# Altium PCB RTM_4SFP_3QSFP.PcbDoc (part 1 of 4) (continued)
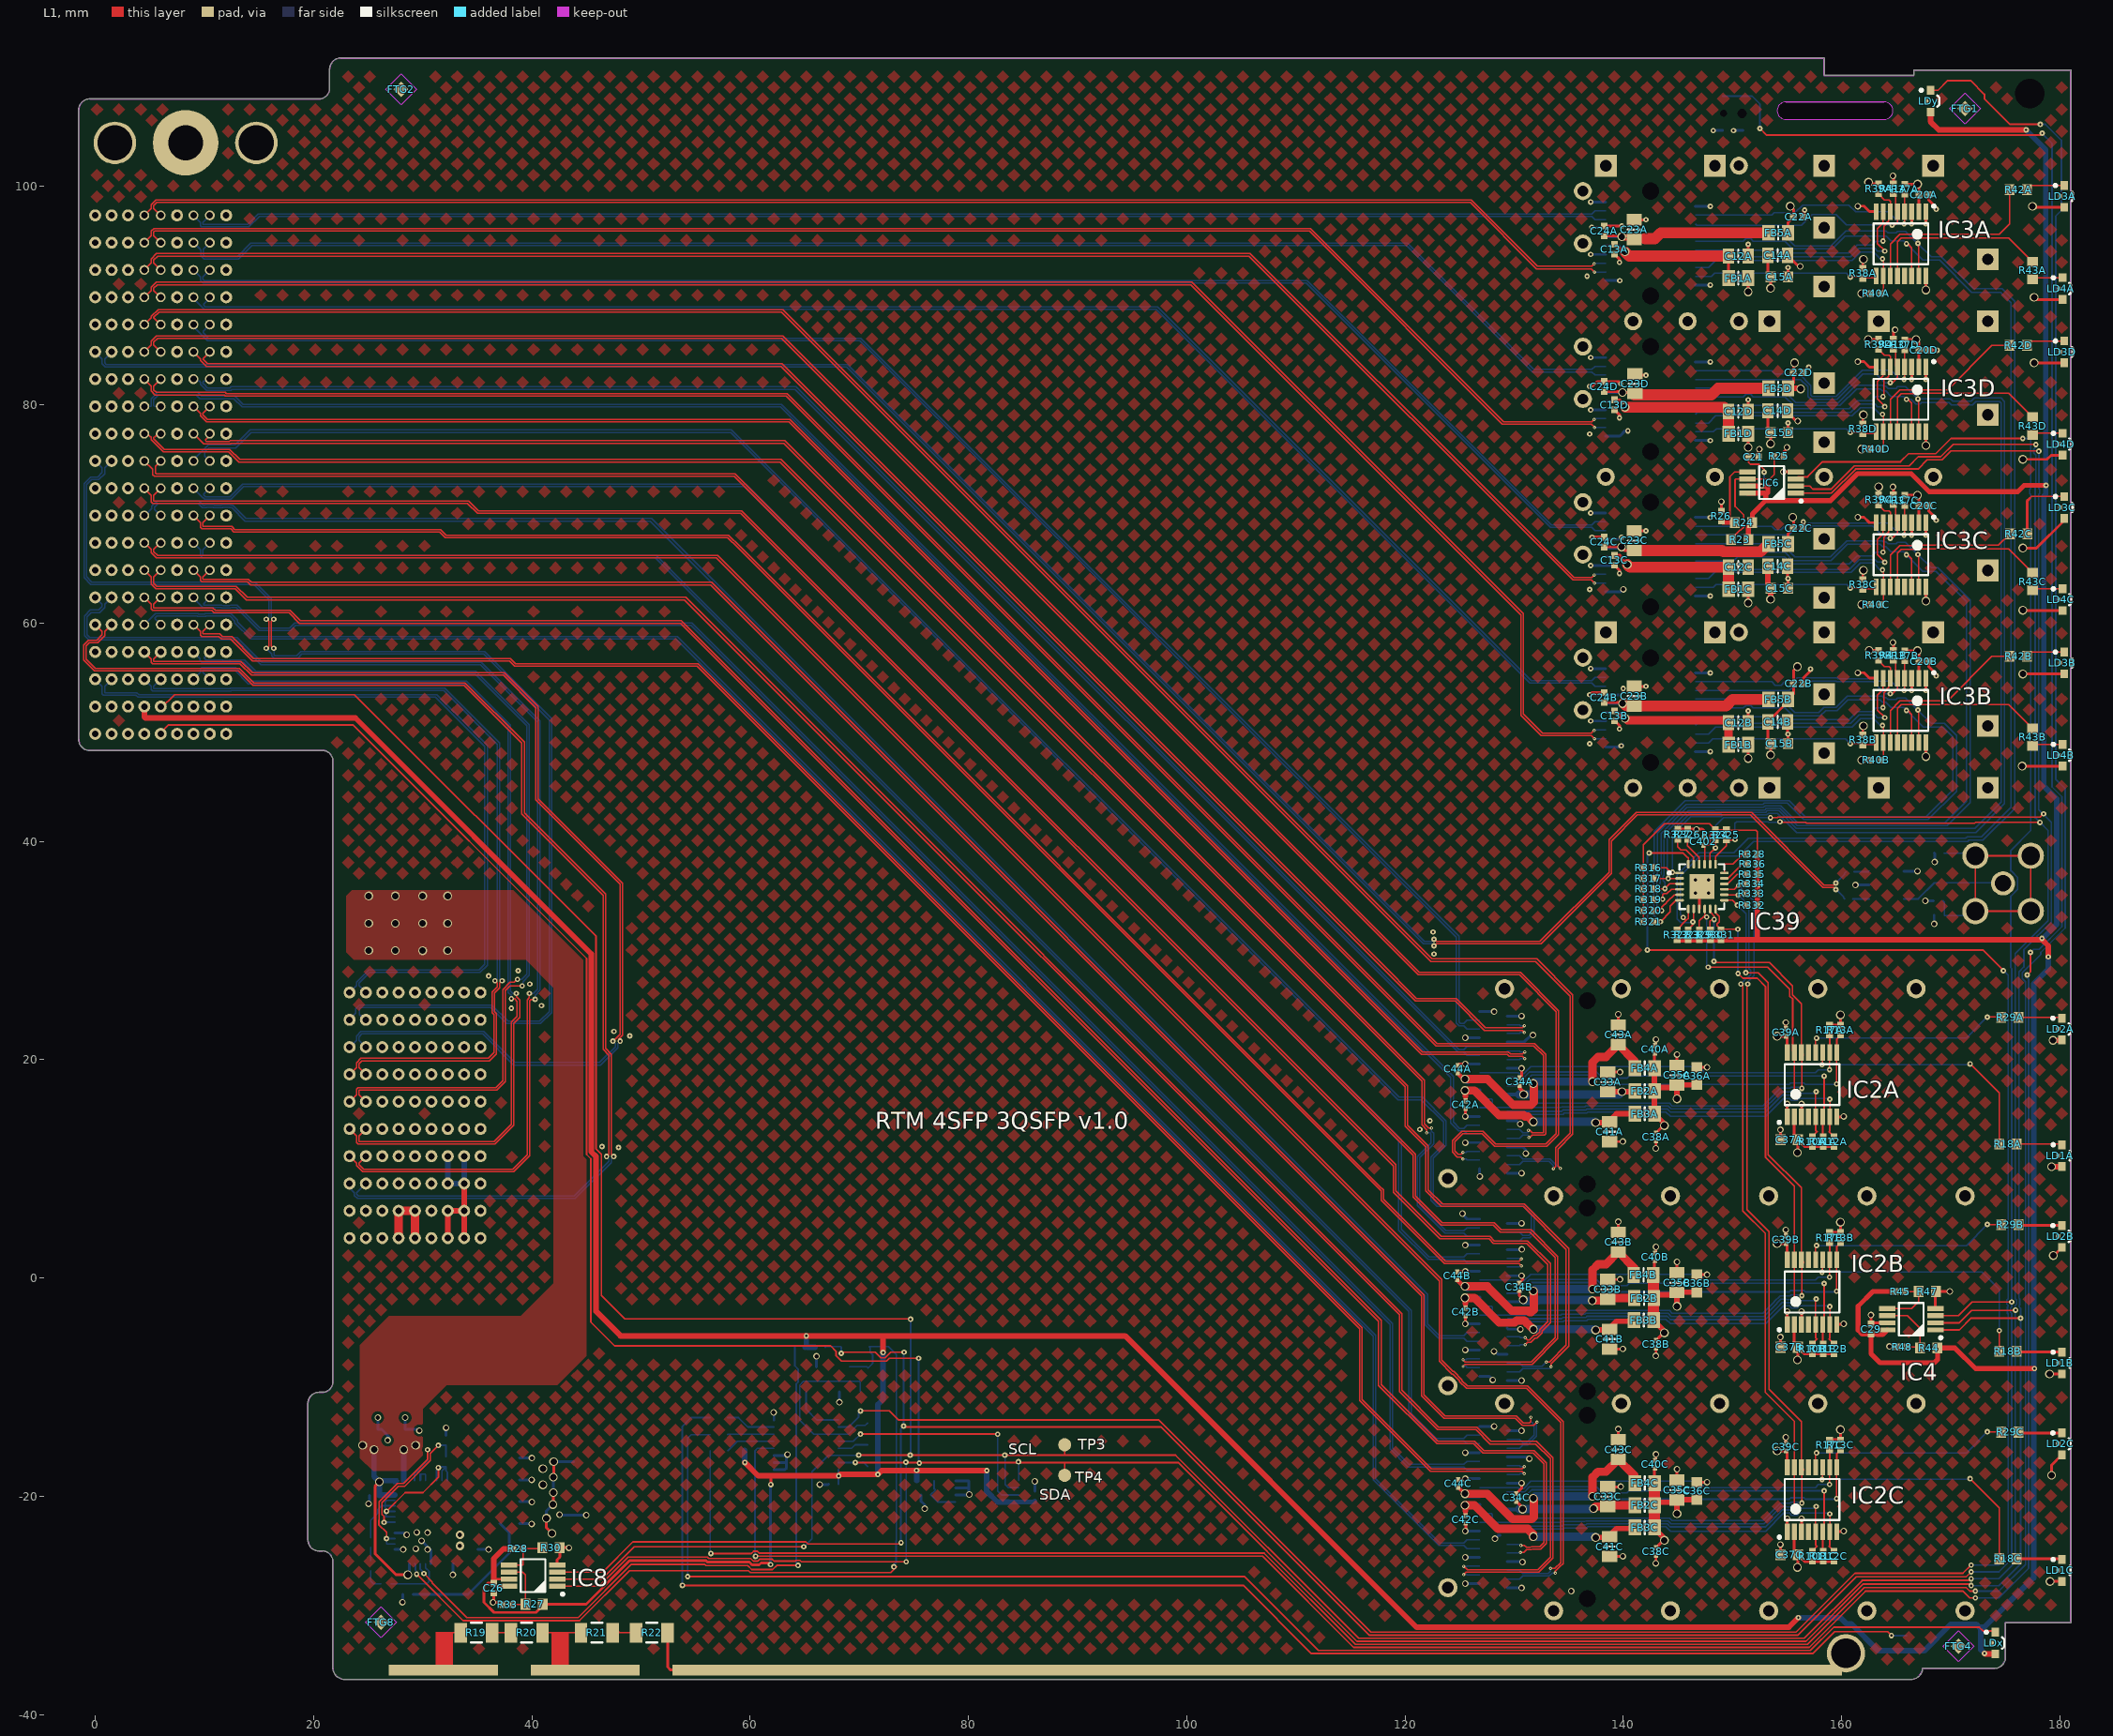
[diagram p0: L1 view]
## Components (designator, comment, footprint, x,y, rotation, side; value= is the part's Value field where it differs from the comment) (continued)
C38C "100nF" CAPC0603X33N 143.002,-25.071 r270 top (schematic designator C38)
C39A "100nF" CAPC0603X33N 154.9,22.5 r90 top (schematic designator C39)
C39B "100nF" CAPC0603X33N 154.9,3.5 r90 top (schematic designator C39)
C39C "100nF" CAPC0603X33N 154.9,-15.5 r90 top (schematic designator C39)
C40A "100nF" CAPC0603X33N 142.926,20.935 r90 top (schematic designator C40)
C40B "100nF" CAPC0603X33N 142.926,1.935 r90 top (schematic designator C40)
C40C "100nF" CAPC0603X33N 142.926,-17.065 r90 top (schematic designator C40)
C41A "10uF" CAPC2012X135N 138.76,13.386 r270 top (schematic designator C41)
C41B "10uF" CAPC2012X135N 138.76,-5.614 r270 top (schematic designator C41)
C41C "10uF" CAPC2012X135N 138.76,-24.614 r270 top (schematic designator C41)
C42A "100nF" CAPC0603X33N 125.552,15.875 r270 top (schematic designator C42)
C42B "100nF" CAPC0603X33N 125.552,-3.124 r270 top (schematic designator C42)
C42C "100nF" CAPC0603X33N 125.57,-22.123 r270 top (schematic designator C42)
C43A "10uF" CAPC2012X135N 139.548,22.276 r90 top (schematic designator C43)
C43B "10uF" CAPC2012X135N 139.548,3.276 r90 top (schematic designator C43)
C43C "10uF" CAPC2012X135N 139.548,-15.724 r90 top (schematic designator C43)
C44A "100nF" CAPC0603X33N 124.816,19.126 r90 top (schematic designator C44)
C44B "100nF" CAPC0603X33N 124.774,0.2 r90 top (schematic designator C44)
C44C "100nF" CAPC0603X33N 124.866,-18.847 r90 top (schematic designator C44)
C402 "100nF" CAPC0603X33N 147.35,40 r270 top
Cage1 "zQSFP+" TYCO_2170737-1 148.48,-2 r270 bottom locked
Cage2 "SFP+" TYCO_2007132-1 142.5,73.4 r180 bottom locked
CON1A "1888247-1" TYCO_1888247-1 142.5,94.78 r180 bottom locked (schematic designator CON1)
CON1B "1888247-1" TYCO_1888247-1 142.5,52.03 r180 bottom locked (schematic designator CON1)
CON1C "1888247-1" TYCO_1888247-1 142.5,66.28 r180 bottom locked (schematic designator CON1)
CON1D "1888247-1" TYCO_1888247-1 142.5,80.53 r180 bottom locked (schematic designator CON1)
D1 "BAT165" SOD2512X110N 69.611,-6.289 r0 bottom
FB1A "220R@100MHz" INDC2012X105N 150.55,91.6 r180 top (schematic designator FB1)
FB1B "220R@100MHz" INDC2012X105N 150.55,48.85 r180 top (schematic designator FB1)
FB1C "220R@100MHz" INDC2012X105N 150.55,63.1 r180 top (schematic designator FB1)
FB1D "220R@100MHz" INDC2012X105N 150.55,77.35 r180 top (schematic designator FB1)
FB2A "220R@100MHz" INDC2012X105N 141.961,17.131 r180 top (schematic designator FB2)
FB2B "220R@100MHz" INDC2012X105N 141.91,-1.854 r180 top (schematic designator FB2)
FB2C "220R@100MHz" INDC2012X105N 141.961,-20.828 r180 top (schematic designator FB2)
FB3A "220R@100MHz" INDC2012X105N 141.961,15.037 r180 top (schematic designator FB3)
FB3B "220R@100MHz" INDC2012X105N 141.884,-3.861 r180 top (schematic designator FB3)
FB3C "220R@100MHz" INDC2012X105N 141.961,-22.86 r180 top (schematic designator FB3)
FB4A "220R@100MHz" INDC2012X105N 141.961,19.225 r180 top (schematic designator FB4)
FB4B "220R@100MHz" INDC2012X105N 141.859,0.279 r180 top (schematic designator FB4)
FB4C "220R@100MHz" INDC2012X105N 141.961,-18.796 r180 top (schematic designator FB4)
FB5A "220R@100MHz" INDC2012X105N 154.2,95.75 r180 top (schematic designator FB5)
FB5B "220R@100MHz" INDC2012X105N 154.2,53 r180 top (schematic designator FB5)
FB5C "220R@100MHz" INDC2012X105N 154.2,67.25 r180 top (schematic designator FB5)
FB5D "220R@100MHz" INDC2012X105N 154.2,81.5 r180 top (schematic designator FB5)
FP1 "RTM_FRONTPANEL" RTM_FRONTPANEL 181.8,75 r0 bottom locked
FTG1 "Use only in PCB" FIDUCIAL_TOP_S100-200 171.323,107.137 r90 top
FTG2 "Use only in PCB" FIDUCIAL_TOP_S100-200 28.016,108.89 r90 top
FTG3 "Use only in PCB" FIDUCIAL_TOP_S100-200 171.3,107.15 r90 bottom
FTG4 "Use only in PCB" FIDUCIAL_TOP_S100-200 170.713,-33.731 r90 top
FTG5 "Use only in PCB" FIDUCIAL_TOP_S100-200 28.042,108.864 r90 bottom
FTG6 "Use only in PCB" FIDUCIAL_TOP_S100-200 170.713,-33.731 r90 bottom
FTG7 "Use only in PCB" FIDUCIAL_TOP_S100-200 26.091,-31.623 r90 bottom
FTG8 "Use only in PCB" FIDUCIAL_TOP_S100-200 26.2,-31.55 r90 top
IC1 "MIC45116-1YMP" MICROCHIP_H3QFN88-52LD-PL-3 31.266,-22.378 r270 bottom
IC2A "PCA9534PW" SOP65P640X110-16N 157.3,17.7 r90 top (schematic designator IC2)
IC2B "PCA9534PW" SOP65P640X110-16N 157.3,-1.3 r90 top (schematic designator IC2)
IC2C "PCA9534PW" SOP65P640X110-16N 157.3,-20.3 r90 top (schematic designator IC2)
IC3A "PCA9534PW" SOP65P640X110-16N 165.45,94.75 r270 top (schematic designator IC3)
IC3B "PCA9534PW" SOP65P640X110-16N 165.45,52 r270 top locked (schematic designator IC3)
IC3C "PCA9534PW" SOP65P640X110-16N 165.45,66.25 r270 top (schematic designator IC3)
IC3D "PCA9534PW" SOP65P640X110-16N 165.45,80.5 r270 top (schematic designator IC3)
IC4 "LM75AIMM/NOPB" SOP65P490X109-8N 166.393,-3.785 r180 top
IC6 "LM75AIMM/NOPB" SOP65P490X109-8N 153.594,72.873 r180 top
IC8 "LM75AIMM/NOPB" SOP65P490X109-8N 40.125,-27.274 r180 top
IC10 "AT24MAC402-XHM" SOP65P640X120-8N 81.718,-19.554 r0 bottom
IC14 "PCA9554DB" SOP65P640X120-16N 65.136,-15.289 r180 bottom
IC39 "MAX7357ETG+" HVQFN24 147.21,35.855 r0 top
J1 "#NAME?" TYCO_1469265-1 8.28,104 r180 bottom
J2 "Advanced TCA" TYCO_6469183-1#1 6,61.1 r180 bottom locked
J3 "SMA" AMPHENOL_132203 174.8,36.145 r0 bottom
J4 "Advanced TCA" TYCO_6469183-1#2 6,86.1 r180 bottom locked
J5A "zQSFP+" TYCO_1551920-2 128.1,17 r180 bottom locked (schematic designator J5)
J5B "zQSFP+" TYCO_1551920-2 128.1,-2 r180 bottom locked (schematic designator J5)
J5C "zQSFP+" TYCO_1551920-2 128.1,-21 r180 bottom locked (schematic designator J5)
J8 "Hard Metric Type ZD" ERNI_973028 29.3,14.9 r180 bottom
LD1A "LED_AVAGO_HSME-C120" LED_AVAGO_HSME-C120 180.188,11.2 r270 top (schematic designator LD1)
LD1B "LED_AVAGO_HSME-C120" LED_AVAGO_HSME-C120 180.188,-7.8 r270 top (schematic designator LD1)
LD1C "LED_AVAGO_HSME-C120" LED_AVAGO_HSME-C120 180.188,-26.8 r270 top (schematic designator LD1)
LD2A "Red" LED_AVAGO_HSME-C120rev 180.2,22.8 r90 top (schematic designator LD2)
LD2B "Red" LED_AVAGO_HSME-C120rev 180.2,3.8 r90 top (schematic designator LD2)
LD2C "Red" LED_AVAGO_HSME-C120rev 180.2,-15.2 r90 top (schematic designator LD2)
LD3A "LED_AVAGO_HSME-C120" LED_AVAGO_HSME-C120 180.399,99.091 r270 top (schematic designator LD3)
LD3B "LED_AVAGO_HSME-C120" LED_AVAGO_HSME-C120 180.399,56.341 r270 top (schematic designator LD3)
LD3C "LED_AVAGO_HSME-C120" LED_AVAGO_HSME-C120 180.399,70.591 r270 top (schematic designator LD3)
LD3D "LED_AVAGO_HSME-C120" LED_AVAGO_HSME-C120 180.399,84.841 r270 top (schematic designator LD3)
LD4A "Red" LED_AVAGO_HSME-C120rev 180.249,90.641 r90 top (schematic designator LD4)
LD4B "Red" LED_AVAGO_HSME-C120rev 180.249,47.891 r90 top (schematic designator LD4)
LD4C "Red" LED_AVAGO_HSME-C120rev 180.249,62.141 r90 top (schematic designator LD4)
LD4D "Red" LED_AVAGO_HSME-C120rev 180.249,76.391 r90 top (schematic designator LD4)
LDx "Green" LED_AVAGO_HSME-C120rev 174.1,-33.45 r90 top
LDy "Blue" LED_AVAGO_HSME-C120rev 168.148,107.823 r90 top
LED17 "LED0603-P-RW120 or LYN971-Z" led_0603R 165.989,-32.766 r270 bottom
PB1 "Push Button" SW_C&K_HDT0001 150.03,106.7 r180 bottom
R1 "7k5" RESC1005X40N#1 29.141,-28.528 r270 bottom
R2 "100k" RESC1005X40N#1 168.953,33.2 r0 bottom
R3 "2k4" RESC1005X40N#1 28.191,-28.528 r90 bottom
R4 "10k" RESC1005X40N#1 25.241,-26.378 r90 bottom
R5 "10k" RESC1005X40N#1 26.641,-28.028 r180 bottom
R6 "1k6" RESC1005X40N#1 32.146,-16.828 r270 bottom
R7 "330" RESC1608X55N 57.136,-15.817 r180 bottom
R8 "330" RESC1608X55N 57.136,-14.358 r180 bottom
R9 "330" RESC1608X55N 57.136,-12.794 r180 bottom
R10A "10k" RESC1005X40N#1 157.325,12.5 r90 top (schematic designator R10)
R10B "10k" RESC1005X40N#1 157.325,-6.5 r90 top (schematic designator R10)
R10C "10k" RESC1005X40N#1 157.325,-25.5 r90 top (schematic designator R10)
R11A "10k" RESC1005X40N#1 158.313,12.5 r90 top (schematic designator R11)
R11B "10k" RESC1005X40N#1 158.313,-6.5 r90 top (schematic designator R11)
R11C "10k" RESC1005X40N#1 158.313,-25.5 r90 top (schematic designator R11)
R12A "10k" RESC1005X40N#1 159.3,12.5 r90 top (schematic designator R12)
R12B "10k" RESC1005X40N#1 159.3,-6.5 r90 top (schematic designator R12)
R12C "10k" RESC1005X40N#1 159.3,-25.5 r90 top (schematic designator R12)
R13A "10k" RESC1005X40N#1 159.9,22.7 r270 top (schematic designator R13)
R13B "10k" RESC1005X40N#1 159.9,3.7 r270 top (schematic designator R13)
R13C "10k" RESC1005X40N#1 159.9,-15.3 r270 top (schematic designator R13)
R14 "10k" RESC1005X40N#1 71.238,-13.289 r180 bottom
R15 "10k" RESC1005X40N#2 71.238,-15.289 r180 bottom
R16 "10k" RESC1005X40N#1 59.988,-15.817 r0 bottom
R17A "10k" RESC1005X40N#1 158.9,22.7 r270 top (schematic designator R17)
R17B "10k" RESC1005X40N#1 158.9,3.7 r270 top (schematic designator R17)
R17C "10k" RESC1005X40N#1 158.9,-15.3 r270 top (schematic designator R17)
R18A "330" RESC1608X55N 175.241,12.275 r0 top (schematic designator R18)
R18B "330" RESC1608X55N 175.241,-6.725 r0 top (schematic designator R18)
R18C "330" RESC1608X55N 175.241,-25.725 r0 top (schematic designator R18)
R19 "1M" RESC3216X65N 34.923,-32.5 r0 top
R20 "1M" RESC3216X65N 39.537,-32.5 r0 top
R21 "1M" RESC3216X65N 45.956,-32.5 r0 top
R22 "1M" RESC3216X65N 51,-32.5 r0 top
R23 "0" RESC1608X55N 150.673,67.666 r0 top
R24 "0" RESC1608X55N 151.028,69.214 r0 top
R25 "10k" RESC1005X40N#2 154.28,75.286 r180 top
R26 "10k" RESC1005X40N#2 148.996,69.799 r270 top
R27 "0" RESC1608X55N 40.216,-29.895 r0 top
R28 "10k" RESC1005X40N#2 38.742,-24.815 r180 top
R29A "330" RESC1608X55N 175.424,23.875 r0 top (schematic designator R29)
R29B "330" RESC1608X55N 175.424,4.875 r0 top (schematic designator R29)
R29C "330" RESC1608X55N 175.424,-14.125 r0 top (schematic designator R29)
R30 "0" RESC1608X55N 41.765,-24.706 r180 top
R31 "10k" RESC1005X40N#2 71.238,-16.258 r180 bottom
R32 "10k" RESC1005X40N#2 71.238,-17.289 r180 bottom
R33 "10k" RESC1005X40N#2 37.777,-29.92 r0 top
R34 "10k" RESC1005X40N#1 66.411,-6.363 r0 bottom
R35 "10k" RESC1005X40N#1 71.708,-7.814 r180 bottom
R36 "10k" RESC1005X40N#1 71.238,-12.183 r180 bottom
R37A "10k" RESC1005X40N#1 165.799,99.741 r90 top (schematic designator R37)
R37B "10k" RESC1005X40N#1 165.799,56.991 r90 top (schematic designator R37)
R37C "10k" RESC1005X40N#1 165.799,71.241 r90 top (schematic designator R37)
R37D "10k" RESC1005X40N#1 165.799,85.491 r90 top (schematic designator R37)
R38A "10k" RESC1005X40N#1 161.949,92.041 r90 top (schematic designator R38)
R38B "10k" RESC1005X40N#1 161.949,49.291 r90 top (schematic designator R38)
R38C "10k" RESC1005X40N#1 161.949,63.541 r90 top (schematic designator R38)
R38D "10k" RESC1005X40N#1 161.949,77.791 r90 top (schematic designator R38)
R39A "10k" RESC1005X40N#1 163.399,99.791 r90 top (schematic designator R39)
R39B "10k" RESC1005X40N#1 163.399,57.041 r90 top (schematic designator R39)
R39C "10k" RESC1005X40N#1 163.399,71.291 r90 top (schematic designator R39)
R39D "10k" RESC1005X40N#1 163.399,85.541 r90 top (schematic designator R39)
R40A "10k" RESC1005X40N#1 163.149,90.191 r180 top (schematic designator R40)
R40B "10k" RESC1005X40N#1 163.149,47.441 r180 top (schematic designator R40)
R40C "10k" RESC1005X40N#1 163.149,61.691 r180 top (schematic designator R40)
R40D "10k" RESC1005X40N#1 163.149,75.941 r180 top (schematic designator R40)
R41A "10k" RESC1005X40N#1 164.749,99.797 r270 top (schematic designator R41)
R41B "10k" RESC1005X40N#1 164.749,57.047 r270 top (schematic designator R41)
R41C "10k" RESC1005X40N#1 164.749,71.297 r270 top (schematic designator R41)
R41D "10k" RESC1005X40N#1 164.749,85.547 r270 top (schematic designator R41)
R42A "330" RESC1608X55N 176.199,99.691 r0 top (schematic designator R42)
R42B "330" RESC1608X55N 176.199,56.941 r0 top (schematic designator R42)
R42C "330" RESC1608X55N 176.225,68.174 r0 top (schematic designator R42)
R42D "330" RESC1608X55N 176.199,85.441 r0 top (schematic designator R42)
R43A "330" RESC1608X55N 177.5,92.3 r270 top (schematic designator R43)
R43B "330" RESC1608X55N 177.5,49.55 r270 top (schematic designator R43)
R43C "330" RESC1608X55N 177.5,63.8 r270 top (schematic designator R43)
R43D "330" RESC1608X55N 177.5,78.05 r270 top (schematic designator R43)
R44 "0" RESC1608X55N 167.996,-6.426 r0 top
R45 "10k" RESC1005X40N#2 165.379,-1.245 r180 top
R46 "10k" RESC1005X40N#1 64.561,-6.363 r180 bottom
R47 "0" RESC1608X55N 167.869,-1.245 r180 top
R48 "10k" RESC1005X40N#2 165.557,-6.325 r0 top
R73 "0" RESC1608X55N 76.068,-18.579 r180 bottom
R74 "10k" RESC1005X40N#2 71.238,-14.312 r0 bottom
R75 "10k" RESC1005X40N#2 76.096,-19.879 r0 bottom
R316 "10k" RESC1005X40N#1 142.321,37.6 r180 top
R317 "10k" RESC1005X40N#1 142.321,36.605 r180 top
R318 "10k" RESC1005X40N#1 142.321,35.645 r180 top
R319 "10k" RESC1005X40N#1 142.321,34.655 r180 top
R320 "10k" RESC1005X40N#1 142.321,33.655 r180 top
R321 "10k" RESC1005X40N#1 142.321,32.65 r180 top
R322 "10k" RESC1005X40N#1 144.928,31.445 r270 top
R323 "10k" RESC1005X40N#1 145.935,31.445 r270 top
R324 "10k" RESC1005X40N#1 148.45,40.6 r90 top
R325 "10k" RESC1005X40N#1 149.455,40.6 r90 top
R326 "10k" RESC1005X40N#1 145.9,40.647 r270 top
R327 "10k" RESC1005X40N#1 145,40.647 r270 top
R328 "10k" RESC1005X40N#1 151.815,38.83 r180 top
R329 "10k" RESC1005X40N#1 146.975,31.445 r270 top
R330 "10k" RESC1005X40N#1 147.995,31.445 r270 top
R331 "10k" RESC1005X40N#1 148.955,31.445 r270 top
R332 "10k" RESC1005X40N#1 151.815,34.155 r0 top
R333 "10k" RESC1005X40N#1 151.785,35.225 r0 top
R334 "10k" RESC1005X40N#1 151.785,36.105 r0 top
R335 "10k" RESC1005X40N#1 151.83,36.978 r0 top
R336 "10k" RESC1005X40N#1 151.84,37.92 r0 top
T1 "BSS138LT1G" SOT95P240X110-3N 69.136,-9.289 r90 bottom
T2 "BSS138LT1G" SOT95P240X110-3N 65.136,-9.289 r270 bottom
TP1 "TP" TP 30.303,-16.878 r180 bottom
TP2 "TP" TP -98.415,115.123 r90 bottom
TP3 "TP" TP 88.824,-15.289 r270 top
TP4 "TP" TP 88.824,-18.085 r270 top
TR1 "#NAME?" XFMR_MINI-CIRCUITS_AT1521 164.11,36 r270 bottom

## Footprints (in the part's own frame and the unit in brackets; to place one, negate y for a bottom-side part, rotate by r counter-clockwise, add the part's x,y. Pads: shape width x height; smd on the part's side, far side on the other; paste and mask are expansions set on the pad)
AMPHENOL_132203 [mm] "50 Ohm Through Hole SMA Right Angle PCB Jack"
  round 2.2 hole 1.5: 1(0,0)
  round 2.4 hole 1.7: 2(-2.54,-2.54) 2(-2.54,2.54) 2(2.54,-2.54) 2(2.54,2.54)
  silkscreen extent -4,-5.1 16.5,5.1, body extent -4,-5.1 16.5,5.1, height 11.45
CAPAE660X540N [mm] "Capacitor, Aluminium Electrolytric, 6.6mm L X 6.6mm W X 5.4mm H, IPC Medium Density"
  rect 3.15x1.6 smd: 1(-2.45,0) 2(2.45,0)
  silkscreen extent -3.95,-3.3 3.3,3.3, body extent -3.9,-3.4 3.9,3.4, height 5.7
CAPC0603X33N [mm] "Chip Capacitor, Body 0.6x0.30mm, IPC Medium Density"
  rect 0.45x0.4 smd: 1(-0.35,0) 2(0.35,0)
  body extent -0.31,-0.16 0.32,0.17, height 0.33
CAPC1005X55N [mm] "Chip Capacitor, Body 1.0x0.55mm, IPC Medium Density"
  rect 0.62x0.62 smd: 1(-0.45,0) 2(0.45,0)
  body extent -0.52,-0.27 0.53,0.28, height 0.55
CAPC1608X87N [mm] "Chip Capacitor, Body 1.6x0.8mm IPC Medium Density"
  rect 0.95x1 smd: 1(-0.8,0) 2(0.8,0)
  body extent -0.87,-0.47 0.88,0.48, height 0.87
CAPC2012X135N [mm] "Chip Capacitor, Body 2.0x1.25mm, IPC Medium Density"
  rect 1.05x1.4 smd: 1(-0.9,0) 2(0.9,0)
  silkscreen extent 0,-0.58 0,0.58, body extent -1.05,-0.67 1.05,0.68, height 1.25
CAPC3216X140N [mm] "Chip Capacitor, Body 3.2x1.6mm, IPC Medium Density"
  rect 1.15x1.8 smd: 1(-1.5,0) 2(1.5,0)
  silkscreen extent -0.5,-0.9 0.5,0.9, body extent -1.7,-0.9 1.7,0.9, height 1.4
ERNI_973028 [mm] "90 Contacts (10x3 Pairs Signal Contacts + 3x10 Ground Contacts), Pitch 2.5mm, Press-Fit, Right Angle Ermet ZD High Speed Differential Hard Metric Female Connector"
  round 1.1 hole 0.6: A1(6,11.25) A2(6,8.75) A3(6,6.25) A4(6,3.75) A5(6,1.25) A6(6,-1.25) A7(6,-3.75) A8(6,-6.25) A9(6,-8.75) A10(6,-11.25) AB1(3,11.25) AB2(3,8.75) AB3(3,6.25) AB4(3,3.75) AB5(3,1.25) AB6(3,-1.25) AB7(3,-3.75) AB8(3,-6.25) AB9(3,-8.75) AB10(3,-11.25) B1(4.5,11.25) B2(4.5,8.75) B3(4.5,6.25) B4(4.5,3.75) B5(4.5,1.25) B6(4.5,-1.25) B7(4.5,-3.75) B8(4.5,-6.25) B9(4.5,-8.75) B10(4.5,-11.25) C1(1.5,11.25) C2(1.5,8.75) C3(1.5,6.25) C4(1.5,3.75) C5(1.5,1.25) C6(1.5,-1.25) C7(1.5,-3.75) C8(1.5,-6.25) C9(1.5,-8.75) C10(1.5,-11.25) CD1(-1.5,11.25) CD2(-1.5,8.75) CD3(-1.5,6.25) CD4(-1.5,3.75) CD5(-1.5,1.25) CD6(-1.5,-1.25) CD7(-1.5,-3.75) CD8(-1.5,-6.25) CD9(-1.5,-8.75) CD10(-1.5,-11.25) D1(0,11.25) D2(0,8.75) D3(0,6.25) D4(0,3.75) D5(0,1.25) D6(0,-1.25) D7(0,-3.75) D8(0,-6.25) D9(0,-8.75) D10(0,-11.25) E1(-3,11.25) E2(-3,8.75) E3(-3,6.25) E4(-3,3.75) E5(-3,1.25) E6(-3,-1.25) E7(-3,-3.75) E8(-3,-6.25) E9(-3,-8.75) E10(-3,-11.25) EF1(-6,11.25) EF2(-6,8.75) EF3(-6,6.25) EF4(-6,3.75) EF5(-6,1.25) EF6(-6,-1.25) EF7(-6,-3.75) EF8(-6,-6.25) EF9(-6,-8.75) EF10(-6,-11.25) F1(-4.5,11.25) F2(-4.5,8.75) F3(-4.5,6.25) F4(-4.5,3.75) F5(-4.5,1.25) F6(-4.5,-1.25) F7(-4.5,-3.75) F8(-4.5,-6.25) F9(-4.5,-8.75) F10(-4.5,-11.25)
  silkscreen extent -6.55,-12.95 17.75,12, body extent -6.55,-12.95 17.75,12, height 12.2
FIDUCIAL_TOP_S100-200 [mm] "Scare Fiducial Target, Top Layer, 1.0mm, Top Sloder 2.0mm, Keepout =2.0mm"
  rect 1x1 smd rot 45 paste-0.51 mask+0.5: 1(0,0)
  L1 keep-out region: 1.414,0 0,-1.414 -1.414,0 0,1.414
HVQFN24 [mm]
  oval 0.8x0.25 smd: 1(-2.05,1.25) 2(-2.05,0.75) 3(-2.05,0.25) 4(-2.05,-0.25) 5(-2.05,-0.75) 6(-2.05,-1.25) 13(2.05,-1.25) 14(2.05,-0.75) 15(2.05,-0.25) 16(2.05,0.25) 17(2.05,0.75) 18(2.05,1.25)
  oval 0.25x0.8 smd: 7(-1.25,-2.05) 8(-0.75,-2.05) 9(-0.25,-2.05) 10(0.25,-2.05) 11(0.75,-2.05) 12(1.25,-2.05) 19(1.25,2.05) 20(0.75,2.05) 21(0.25,2.05) 22(-0.25,2.05) 23(-0.75,2.05) 24(-1.25,2.05)
  rect 2.3x2.3 smd: 25(0,0)
  silkscreen extent -3.12,-2.05 2.05,2.05, body extent -2.11,-2.11 2.11,2.11, height 0.4
INDC2012X105N [mm] "Chip Inductor, EIA 0805, Metric 2012, Body 2.0x1.25mm, IPC Medium Density"
  rect 1.15x1.45 smd: 1(-0.9,0) 2(0.9,0)
  silkscreen extent 0,-0.6 0,0.6, body extent -1.1,-0.7 1.1,0.7, height 1.1
led_0603R [mil]
  rect 30x30 smd: A(55,0) K(0,0)
  silkscreen extent -31,-22 73,26, body extent -10,-15 65,15, height 28
LED_AVAGO_HSME-C120 [mm] "Green Chip LED, 2-Leads, Body 1.7x1.1mm, Side Emitting Package"
  rect 0.8x0.7 smd: 1(-1,0) 2(1,0)
  rect 0.4x0.4 smd: 3(0,-0.35)
  silkscreen extent -1.12,-0.92 0.42,0.8, body extent -0.85,-0.3 0.85,0.8, height 0.7
LED_AVAGO_HSME-C120rev [mm] "Green Chip LED, 2-Leads, Body 1.7x1.1mm, Side Emitting Package"
  rect 0.8x0.7 smd: 1(-1,0) 2(1,0)
  rect 0.4x0.4 smd: 3(0,0.35)
  silkscreen extent -0.51,-0.8 1.12,0.96, body extent -0.85,-0.8 0.85,0.3, height 0.7
MICROCHIP_H3QFN88-52LD-PL-3 [mm] "MICROCHIP_H3QFN88-52LD-PL-3, 0.50mm Pitch, Square, 52 Pin, 8mm L X 8mm W X 3mm H Body"
  rect 0.8x0.25 smd: 1(-3.8,3.5) 2(-3.8,3) 4(-3.8,2) 5(-3.8,1.5) 6(-3.8,1) 8(-3.8,0) 9(-3.8,-0.5) 10(-3.8,-1) 12(-3.8,-2) 13(-3.8,-2.5) 14(-3.8,-3) 15(-3.8,-3.5) 27(3.8,-3.5) 28(3.8,-3) 29(3.8,-2.5) 30(3.8,-2) 31(3.8,-1.5) 32(3.8,-1) 33(3.8,-0.5) 34(3.8,0) 35(3.8,0.5) 36(3.8,1) 37(3.8,1.5) 38(3.8,2) 39(3.8,2.5) 40(3.8,3) 41(3.8,3.5)
  rect 0.25x0.8 smd: 16(-2.5,-3.8) 17(-2,-3.8) 18(-1.5,-3.8) 19(-1,-3.8) 20(-0.5,-3.8) 21(0,-3.8) 23(1,-3.8) 24(1.5,-3.8) 25(2,-3.8) 26(2.5,-3.8) 42(2.5,3.8) 43(2,3.8) 44(1.5,3.8) 45(1,3.8) 47(0,3.8) 48(-0.5,3.8) 49(-1,3.8) 50(-1.5,3.8) 51(-2,3.8) 52(-2.5,3.8)
  rect 2.1x1.675 smd: 53(1.7,1.363)
  rect 2.1x1.15 smd: 54(1.7,-2.15)
  L1 lines w0.05: 1.7,0.525 1.7,0.525
  L1 keep-out region: -4.2,-1.625 -4.2,-1.375 -3.15,-1.375 -3.15,0.375 -4.2,0.375 -4.2,0.625 -3.15,0.625 -3.15,2.375 -4.2,2.375 -4.2,2.625 -3.15,2.625 -3.15,3.12 0.15,3.12 0.15,0.025 3.15,0.025 3.15,-1.075 0.15,-1.075 0.15,-3.12 -3.15,-3.12 -3.15,-1.625
  L1 keep-out region: 0.375,-4.2 0.625,-4.2 0.625,-3.12 0.375,-3.12
  L1 keep-out region: 0.375,3.12 0.625,3.12 0.625,4.2 0.375,4.2
  silkscreen extent -4.55,-4 4,4.52, body extent -4,-4 4,4, height 3
RESC1005X40N#1 [mm] "Chip Resistor, EIA 0402, Metric 1005, Body 1.0x0.5mm, IPC Medium Density"
  rect 0.58x0.62 smd: 1(-0.47,0) 2(0.47,0)
  body extent -0.52,-0.27 0.53,0.28, height 0.4
RESC1005X40N#2 [mm] "Chip Resistor, Body 1.0x0.5mm, IPC Medium Density"
  rect 0.6x0.6 smd: 1(-0.45,0) 2(0.45,0)
  body extent -0.53,-0.28 0.53,0.28, height 0.4
RESC1608X55N [mm] "Chip Resistor, EIA 0603, Metric 1608, Body 1.6x0.8mm, IPC Medium Density"
  rect 0.9x1 smd: 1(-0.8,0) 2(0.8,0)
  body extent -0.87,-0.47 0.88,0.48, height 0.55
RESC3216X65N [mm] "Chip Resistor, EIA 1206, Metric 3216, Body 3.2x1.6mm, IPC Medium Density"
  rect 1.15x1.8 smd: 1(-1.45,0) 2(1.45,0)
  silkscreen extent -0.5,-0.9 0.5,0.9, body extent -1.67,-0.87 1.68,0.88, height 0.65
RTM_FRONTPANEL [mm] "RTM Frontpanel Step model"
  body extent -34.1,-47.5 20.1,122.5, height 15.91
SOD2512X110N [mm] "Small Outline Diode (SOD-323), 1.70mm W X 1.25mm L X 1.10mm H body,  IPC Medium Density"
  rect 0.9x0.5 smd: 1(-1.3,0) 2(1.3,0)
  silkscreen extent -1.62,-0.65 0.85,0.87, body extent -1.35,-0.67 1.35,0.68, height 1.1
SOP65P490X109-8N [mm] "SOP, 0.65mm pitch; 8 pin,3.00mm W X 3.00mm L X 1.09mm H bodyI, PC Medium Density"
  rect 1.5x0.45 smd: 1(-2.2,0.975) 2(-2.2,0.325) 3(-2.2,-0.325) 4(-2.2,-0.975) 5(2.2,-0.975) 6(2.2,-0.325) 7(2.2,0.325) 8(2.2,0.975)
  silkscreen extent -2.83,-1.5 1.12,1.82, body extent -2.45,-1.55 2.45,1.55, height 1.09
SOP65P640X110-16N [mm] "SOP, 0.65mm pitch; 16 pin, 4.40mm W X 5.00mm L X 1.10mm H body IPC Medium Density"
  rect 1.5x0.45 smd: 1(-2.95,2.275) 2(-2.95,1.625) 3(-2.95,0.975) 4(-2.95,0.325) 5(-2.95,-0.325) 6(-2.95,-0.975) 7(-2.95,-1.625) 8(-2.95,-2.275) 9(2.95,-2.275) 10(2.95,-1.625) 11(2.95,-0.975) 12(2.95,-0.325) 13(2.95,0.325) 14(2.95,0.975) 15(2.95,1.625) 16(2.95,2.275)
  silkscreen extent -3.57,-2.5 1.88,3.12, body extent -3.12,-2.55 3.12,2.55, height 1.1
SOP65P640X120-8N [mm] "SOP, 0.65mm pitch; 8 pin, 4.40mm W X 3.00mm L X 1.20mm H body, IPC Medium Density"
  rect 1.5x0.45 smd: 1(-2.9,0.975) 2(-2.9,0.325) 3(-2.9,-0.325) 4(-2.9,-0.975) 5(2.9,-0.975) 6(2.9,-0.325) 7(2.9,0.325) 8(2.9,0.975)
  silkscreen extent -3.52,-1.5 1.83,1.82, body extent -3.2,-1.55 3.2,1.55, height 1.2
SOP65P640X120-16N [mm]
  rect 1.45x0.45 smd: 1(2.95,-2.275) 2(2.95,-1.625) 3(2.95,-0.975) 4(2.95,-0.325) 5(2.95,0.325) 6(2.95,0.975) 7(2.95,1.625) 8(2.95,2.275) 9(-2.95,2.275) 10(-2.95,1.625) 11(-2.95,0.975) 12(-2.95,0.325) 13(-2.95,-0.325) 14(-2.95,-0.975) 15(-2.95,-1.625) 16(-2.95,-2.275)
  silkscreen extent -1.85,-3.17 3.52,2.55, body extent -3.1,-2.49 3.15,2.49, height 1.75
SOT95P240X110-3N [mm] "SOT23 3-Leads, Pitch 0.95mm, Body 1.3x2.9mm, IPC Medium Density"
  rect 1.05x0.65 smd: 1(-1.15,0.95) 2(-1.15,-0.95) 3(1.15,0)
  silkscreen extent -1.52,-1.45 0.3,1.92, body extent -1.25,-1.5 1.25,1.5, height 1.1
SW_C&K_HDT0001 [mm] "Micro Mini Surface Mount Detect Switches, HDT Serie"
  rect 0.95x0.55 smd: 1(-0.925,1.575) 2(0.925,1.575) 3(-0.925,-1.575) 4(0.925,-1.575)
  round 0.5 hole 0.85 unplated mask+0.175: 5(-0.85,0)
  round 0.5 hole 0.65 unplated mask+0.075: 10(0.85,0)
  silkscreen extent -1.75,-1.4 1.75,1.4, body extent -1.75,-1.65 1.75,1.65, height 3.35
TP [mm]
  round 1.2 smd: 1(0,0)
TYCO_1469265-1 [mm] "Universal Right Angle Male Power Module Guide (keyed)"
  round 3.9 hole 3.2: 1(-6.48,0) 1(6.48,0)
  rect 18.3x7 smd paste-4.15 mask-4.15: 1(0,0)
  round 6 hole 3.2: 1(0,0)
  silkscreen extent 9.58,-3.96 32.55,3.94, body extent -8.92,-3.95 32.53,3.95, height 9.7
TYCO_1551920-2 [mm] "38 Positions, Pitch 0.8mm zSFP+ Receptacle (Small Form-factor Pluggable)"
  rrect100% 1.8x0.35 smd: 1(-1.255,7) 2(-1.255,6.2) 3(-1.255,5.4) 4(-1.255,4.6) 5(-1.255,3.8) 6(-1.255,3) 7(-1.255,2.2) 8(-1.255,1.4) 9(-1.255,0.6) 10(-1.255,-0.2) 11(-1.255,-1) 12(-1.255,-1.8) 13(-1.255,-2.6) 14(-1.255,-3.4) 15(-1.255,-4.2) 16(-1.255,-5) 17(-1.255,-5.8) 18(-1.255,-6.6) 19(-1.255,-7.4) 20(1.255,-7) 21(1.255,-6.2) 22(1.255,-5.4) 23(1.255,-4.6) 24(1.255,-3.8) 25(1.255,-3) 26(1.255,-2.2) 27(1.255,-1.4) 28(1.255,-0.6) 29(1.255,0.2) 30(1.255,1) 31(1.255,1.8) 32(1.255,2.6) 33(1.255,3.4) 34(1.255,4.2) 35(1.255,5) 36(1.255,5.8) 37(1.255,6.6) 38(1.255,7.4)
  round 0.5 hole 1.55 unplated mask+0.525: MTG1(-8.625,8.4) MTG2(-8.625,-8.4)
  silkscreen extent -11.52,-9.1 0.98,9.1, body extent -11.52,-9.1 1.79,9.1, height 6.15
TYCO_1888247-1 [mm] "20 Position, Pitch 0.8mm SFP Receptacle (Small Form-factor Pluggable)"
  rect 2x0.5 smd: 1(-4.1,3.395) 2(-4.1,2.595) 3(-4.1,1.795) 4(-4.1,0.995) 5(-4.1,0.195) 6(-4.1,-0.605) 7(-4.1,-1.405) 8(-4.1,-2.205) 9(-4.1,-3.005) 10(-4.1,-3.805) 11(4.1,-3.405) 14(4.1,-1.005) 15(4.1,-0.205) 16(4.1,0.595) 17(4.1,1.395) 20(4.1,3.795)
  rect 1.5x0.4 smd: 12(4.1,-2.605) 13(4.1,-1.805) 18(4.1,2.195) 19(4.1,2.995)
  round 0.5 hole 1.55 unplated mask+0.525: MTG1(0,4.795) MTG2(0,-4.805)
  L1 keep-out lines w0.1: 3.94,-5.755 -4.34,-5.755 -4.34,-4.395 -2.78,-4.395 -2.78,-3.855 2.78,-3.855 2.78,-3.995 3.94,-3.995 3.94,-4.805 3.94,-5.755 ; 3.94,4.385 3.94,5.745 -4.34,5.745 -4.34,3.985 -2.78,3.985 -2.78,3.845 2.78,3.845 2.78,4.385 3.94,4.385
  silkscreen extent -42.4,-7.77 6.3,7.77, body extent -4.5,-5.5 4.5,5.5, height 5.22
TYCO_2007132-1 [mm] "SFP+ 1x4 Press Fit Cage"
  rect 2x2 hole 1.05: 1(-25.9,28.5) 2(-15.9,28.5) 3(-5.9,28.5) 4(4.1,28.5) 5(-15.9,22.825) 6(-30.9,19.925) 7(-15.9,17.425) 8(-30.9,14.25) 9(-20.9,14.25) 10(-10.9,14.25) 11(-15.9,8.575) 12(-30.9,5.675) 13(-15.9,3.175) 14(-15.9,-5.675) 15(-30.9,-8.575) 16(-15.9,-11.075) 17(-25.9,-14.25) 18(-15.9,-14.25) 19(-5.9,-14.25) 20(4.1,-14.25) 21(-15.9,-19.925) 22(-30.9,-22.825) 23(-15.9,-25.325) 24(-30.9,-28.5) 25(-20.9,-28.5) 26(-10.9,-28.5)
  round 1.65 hole 0.95: 27(-8.1,28.5) 28(6.2,26.175) 29(6.2,21.375) 30(-8.1,14.25) 31(-3.4,14.25) 32(1.6,14.25) 33(6.2,11.925) 34(6.2,7.125) 35(-25.9,0) 36(-15.9,0) 37(-5.9,0) 38(4.1,0) 39(6.2,-2.325) 40(6.2,-7.125) 41(-8.1,-14.25) 42(6.2,-16.575) 43(6.2,-21.375) 44(-8.1,-28.5) 45(-3.4,-28.5) 46(1.6,-28.5)
  silkscreen extent -42.4,-29.52 6.57,29.52, body extent -42.4,-29.52 6.57,29.53, height 10.6
TYCO_2170737-1 [mm] "1x3 Press Fit zQSFP+/QSFP28 Cage (Quad Small Form-factor Pluggable), Internal/External EMI Springs"
  rect 1.6x3 / inner round 1.75 / far side round 1.75 hole 1.05: 1(-28.5,-18.345) 2(-28.5,-9.345) 3(-28.5,-0.345) 4(-28.5,8.655) 5(-28.5,19.355) 6(-9.5,-22.845) 7(-9.5,-13.845) 8(-9.5,-4.845) 9(-9.5,4.155) 10(-9.5,14.855) 13(9.5,-18.345) 14(9.5,-9.345) 15(9.5,-0.345) 16(9.5,8.655) 17(9.5,19.355) 19(28.5,-22.845) 20(28.5,-13.845) 21(28.5,-4.845) 22(28.5,4.155) 23(28.5,14.855)
  rect 3x1.6 / inner round 1.75 / far side round 1.75 hole 1.05: 11(-11.12,24.545) 12(7.88,24.545) 18(26.38,24.545)
  silkscreen extent -29.72,-36.42 29.72,25.12, body extent -29.72,-36.42 29.72,25.12, height 10.8
TYCO_6469183-1#1 [mm] "60 Positions, Pitch 2.5mm,  Advanced TCA, Z-PACK HM-Zd BackPlane Press Fit Header"
  round 1.1 hole 0.6: A1(6,-11.25) A2(6,-8.75) A3(6,-6.25) A4(6,-3.75) A5(6,-1.25) A6(6,1.25) A7(6,3.75) A8(6,6.25) A9(6,8.75) A10(6,11.25) B1(4.5,-11.25) B2(4.5,-8.75) B3(4.5,-6.25) B4(4.5,-3.75) B5(4.5,-1.25) B6(4.5,1.25) B7(4.5,3.75) B8(4.5,6.25) B9(4.5,8.75) B10(4.5,11.25) BG1(3,-11.25) BG2(3,-8.75) BG3(3,-6.25) BG4(3,-3.75) BG5(3,-1.25) BG6(3,1.25) BG7(3,3.75) BG8(3,6.25) BG9(3,8.75) BG10(3,11.25) C1(1.5,-11.25) C2(1.5,-8.75) C3(1.5,-6.25) C4(1.5,-3.75) D1(0,-11.25) D2(0,-8.75) D3(0,-6.25) D4(0,-3.75) DG1(-1.5,-11.25) DG2(-1.5,-8.75) DG3(-1.5,-6.25) DG4(-1.5,-3.75) DG5(-1.5,-1.25) DG6(-1.5,1.25) DG7(-1.5,3.75) DG8(-1.5,6.25) DG9(-1.5,8.75) DG10(-1.5,11.25) E1(-3,-11.25) E2(-3,-8.75) E3(-3,-6.25) E4(-3,-3.75) F1(-4.5,-11.25) F2(-4.5,-8.75) F3(-4.5,-6.25) F4(-4.5,-3.75) FG1(-6,-11.25) FG2(-6,-8.75) FG3(-6,-6.25) FG4(-6,-3.75) FG5(-6,-1.25) FG6(-6,1.25) FG7(-6,3.75) FG8(-6,6.25) FG9(-6,8.75) FG10(-6,11.25)
  round 0.9 hole 0.6: C5(1.5,-1.25) C6(1.5,1.25) C7(1.5,3.75) C8(1.5,6.25) C9(1.5,8.75) C10(1.5,11.25) D5(0,-1.25) D6(0,1.25) D7(0,3.75) D8(0,6.25) D9(0,8.75) D10(0,11.25) E5(-3,-1.25) E6(-3,1.25) E7(-3,3.75) E8(-3,6.25) E9(-3,8.75) E10(-3,11.25) F5(-4.5,-1.25) F6(-4.5,1.25) F7(-4.5,3.75) F8(-4.5,6.25) F9(-4.5,8.75) F10(-4.5,11.25)
  silkscreen extent -6.65,-12 23.35,12.9, body extent -6.65,-12 23.35,12.9, height 13.31